# Altium PCB example.PcbDoc
Units mm, origin at the board's own origin, x right, y up, seen from the top; angles counter-clockwise.
Board outline 80.25 x 60.25 mm, 2 copper layers (Top Layer, Bottom Layer); 88 components, 62 nets, 300 pads, 6 vias.
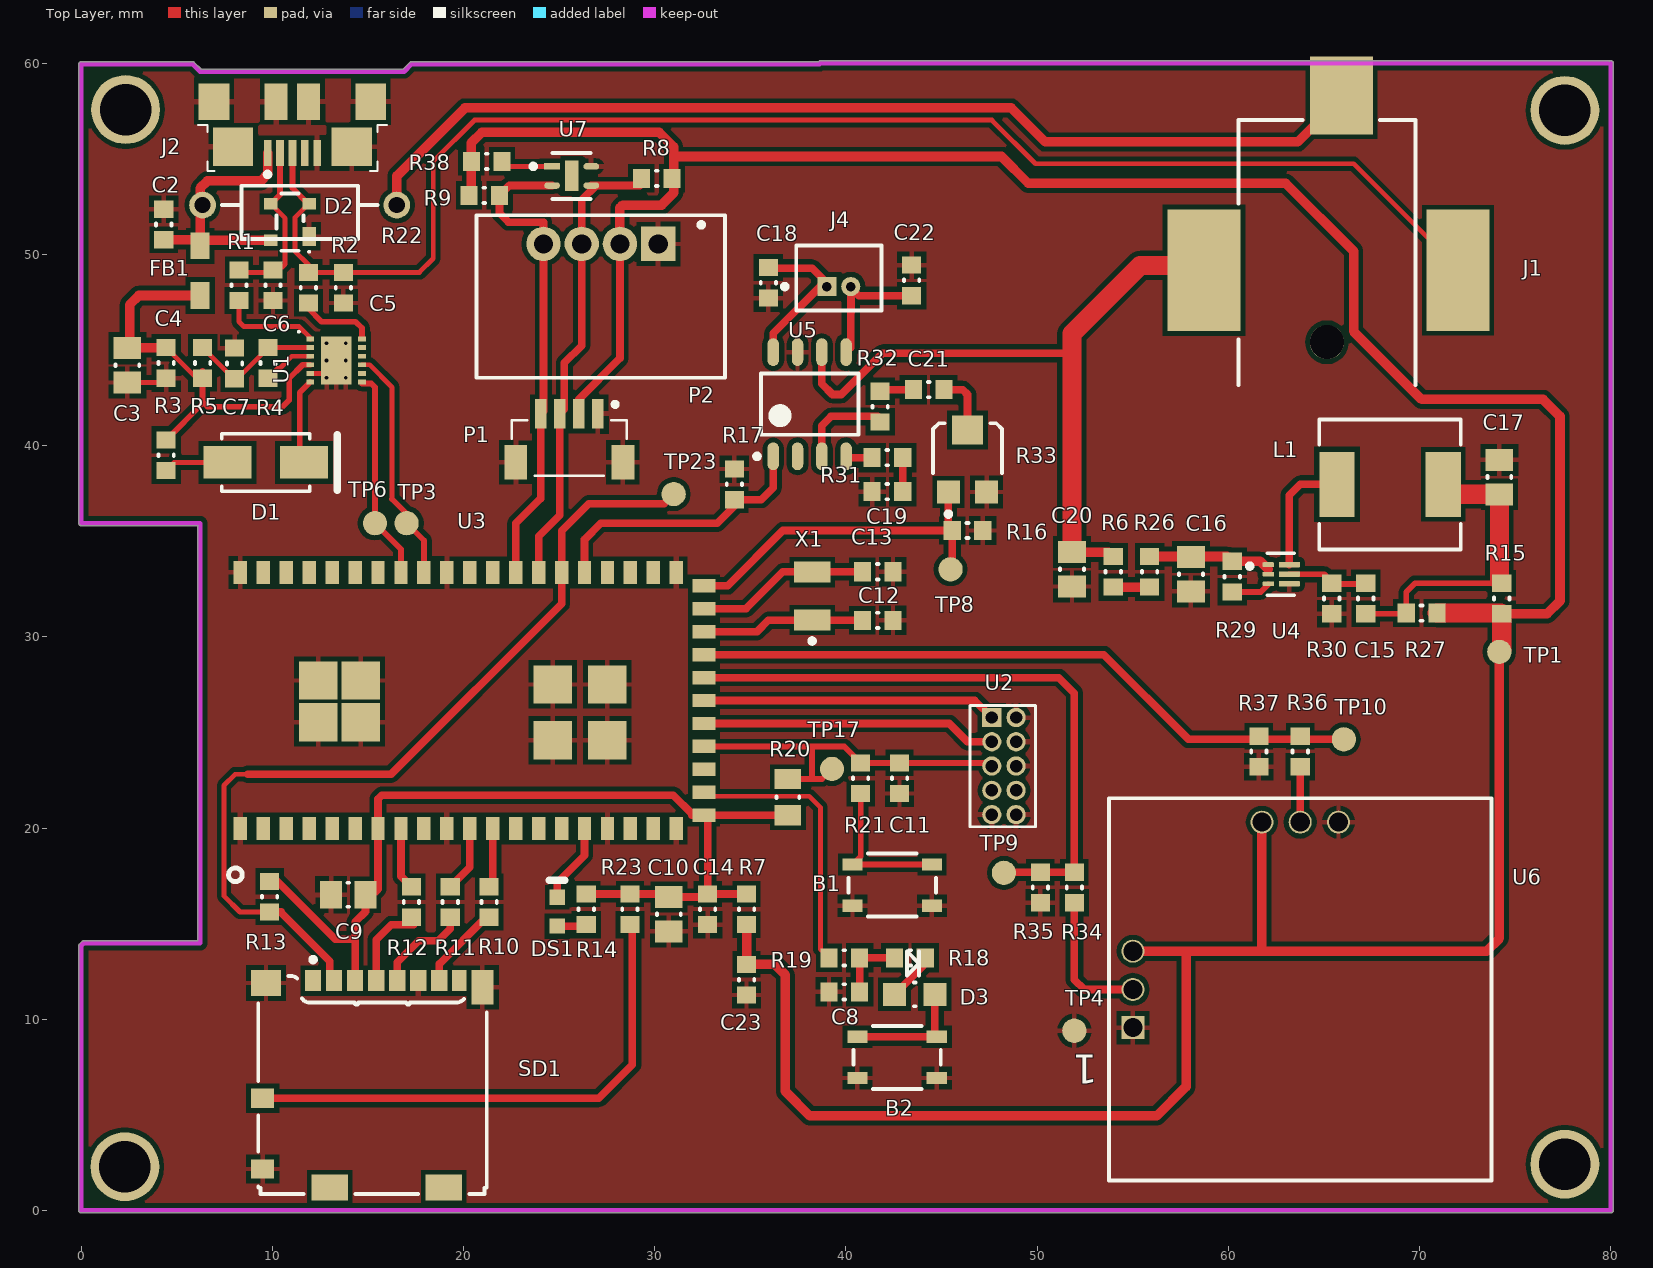
[diagram p0: Top Layer view]
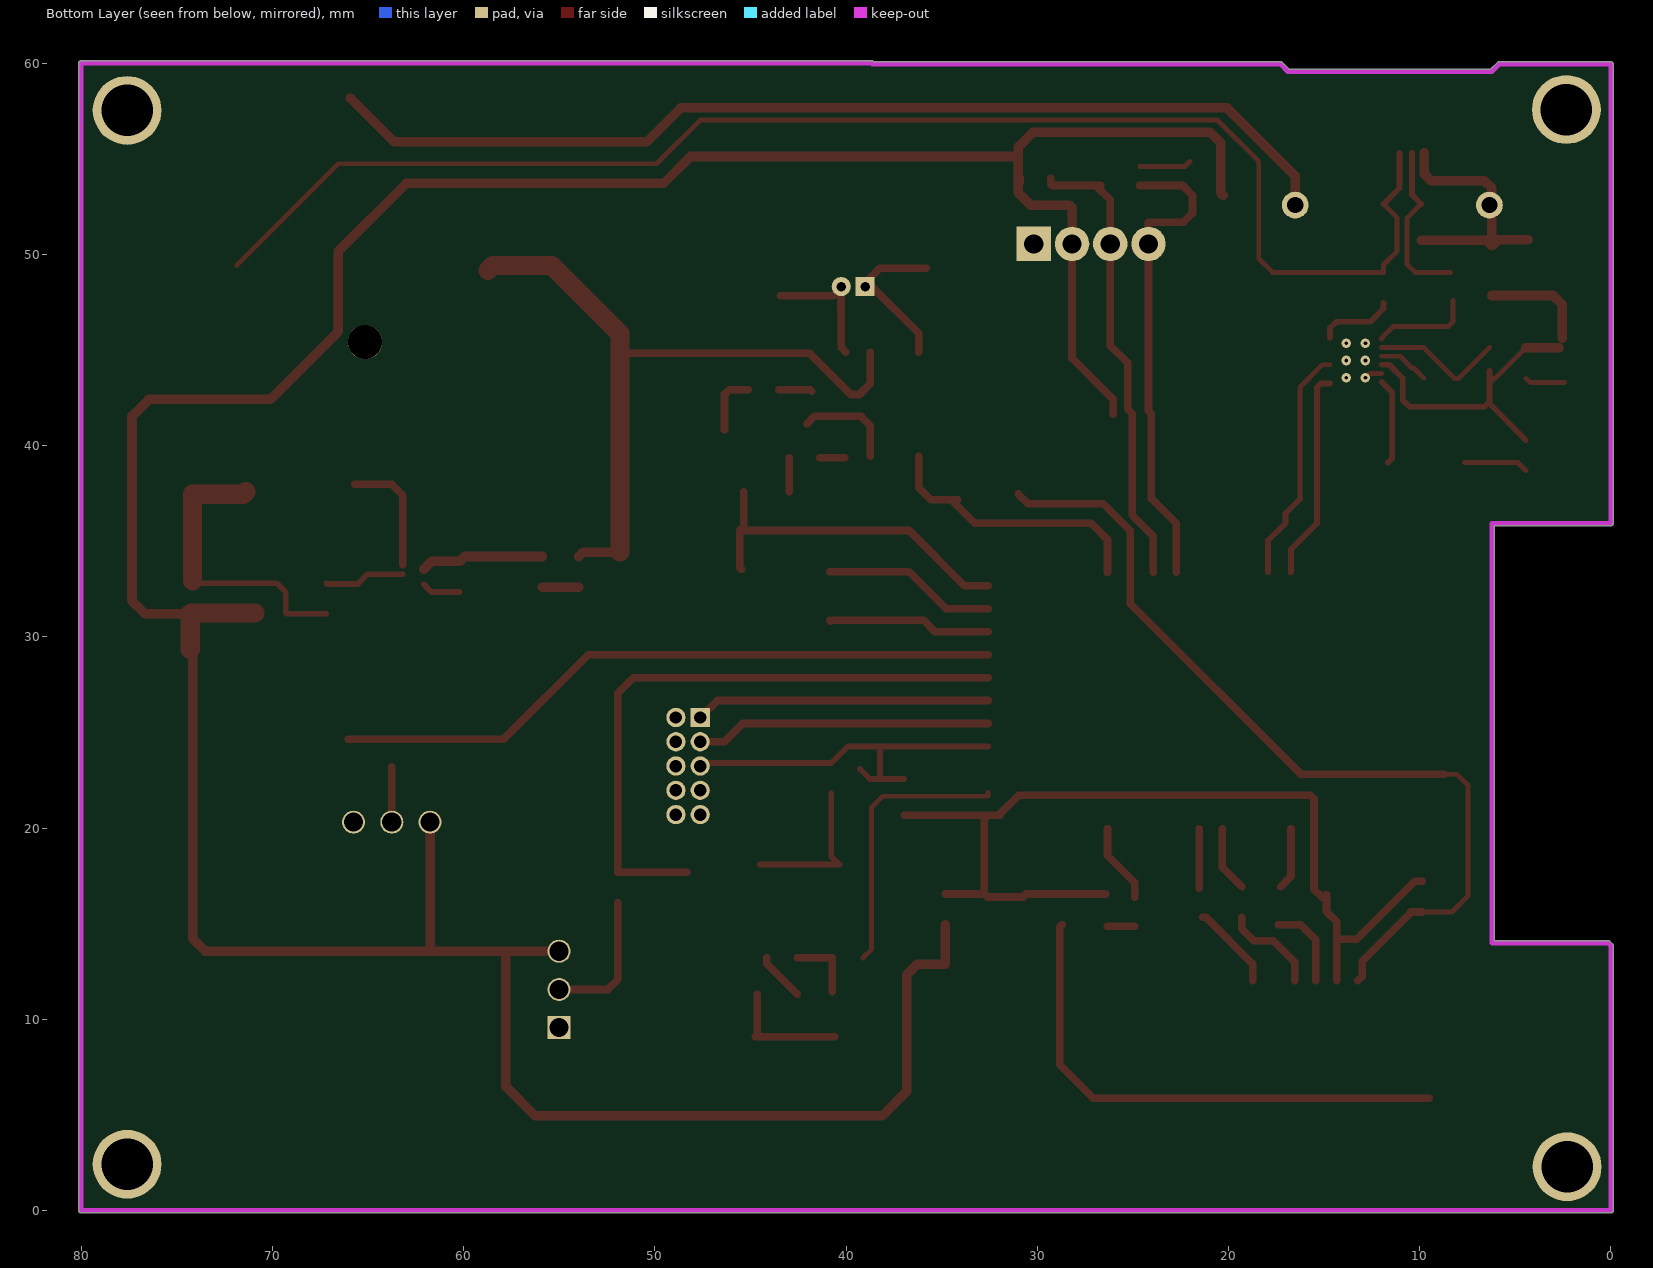
[diagram p1: Bottom Layer view, seen from below]

## Layer stack, top to bottom
Top Solder: solder mask 0.0102, Solder Resist, Dk 3.5
Top Layer: signal copper 0.0356
Dielectric 1: dielectric 0.32, FR-4, Dk 4.8
Bottom Layer: signal copper 0.0356
Bottom Solder: solder mask 0.0102, Solder Resist, Dk 3.5

## Board outline
0,-0.127 cw(c0,0) -0.127,0 -0.127,13.843 cw(c0,13.843) -0.09,13.934 -0.09,13.933 0.037,14.06 0.036,14.06 cw(c0.127,13.97) 0.127,14.097 6.096,14.097 6.096,35.814 0,35.814 cw(c0,35.941) -0.127,35.941 -0.127,59.944 cw(c0,59.944) 0,60.071 5.842,60.071 cw(c5.842,59.944) 5.933,60.034 5.932,60.034 6.276,59.69 16.838,59.69 17.182,60.034 17.181,60.034 cw(c17.272,59.944) 17.272,60.071 38.558,60.071 cw(c38.664,60) 38.664,60.127 79.873,60.127 cw(c79.873,60) 79.937,60.11 cw(c80,60) 80.127,60 80.127,0 cw(c80,0) 80,-0.127

## Design rules (kind name [scope] priority, off if disabled: settings)
Clearance [All] p1: gap=0.254 ignorepadtopadclearanceinfootprint=FALSE except(0: Arc-Hole Track-Hole SMDPad-Hole THPad-Hole Via-Hole Fill-Hole Poly-Hole Region-Hole Text-Hole)
DiffPairsRouting [All] p1: maxlimit=0.254 minlimit=0.254 mostfreqgap=0.254 toplayer_minwidth=0.381 toplayer_maxwidth=0.381 toplayer_prefwidth=0.381 bottomlayer_minwidth=0.381 bottomlayer_maxwidth=0.381 bottomlayer_prefwidth=0.381 maxuncoupledlength=12.7
PlaneConnect [All] p1: planeconnectstyle=Direct reliefexpansion=0.508 reliefentries=4 reliefconductorwidth=0.254 reliefairgap=0.254
PolygonConnect [All] p1: connectstyle=Relief reliefconductorwidth=0.254 reliefentries=4 polygonreliefangle="90 Angle" airgapwidth=0.254
RoutingVias [All] p1: holewidth=0.711 width=1.27 viastyle="Through Hole" minholewidth=0.711 minwidth=1.27 maxholewidth=0.711 maxwidth=1.27
SolderMaskExpansion [All] p1: expansion=0.102 istentingtop=FALSE
Width [All] p1: maxlimit=3 minlimit=0.254 preferedwidth=0.254
28 further rules are at their usual default settings.

## Classes and differential pairs
component class U_Thumbstick: R24 R27 R28 R29 R31 U6
component class U_3.3VBuck: C15 C16 C17 L1 R20 R24 R25 R28 U4
component class U_Memory: C14 R17 R19 SD1 TP15 TP18 TP19 TP20 TP21
component class U_MCU: B2 C8 C9 C10 C11 C12 C13 D3 J1 R15 R16 R17 TP15 TP21 U2 U3 X1
component class U_FTDI: C1 C2 C4 C5 C7 D2 FB1 R1 R2 R3 R4 R5 U1
component class U_Audio: C18 C19 C20 C21 C22 J4 R24 R26 R27 R28 U5
component class MAIN: DS1 FD1 FD2 FD3 J2 P1 P2 R6 R11 R12 R13 R14 R19 R35 TP1 TP2 TP3 TP4 TP18 TP19 TP20
component class Designator: C23 R29 U7
differential pair USB_FTDI_DATA_4: +USB_FTDI_DATA_4_P -USB_FTDI_DATA_4_N
differential pair USB_DATA: +USB_DATA_P -USB_DATA_N

## Components (designator, comment, footprint, x,y, rotation, side; value= is the part's Value field where it differs from the comment)
B1 "PTS810 SJK 250 SMTR LFS" "PTS810 SJK 250 SMTR LFS" 42.418,17.018 r0 top (schematic designator B2)
B2 "PTS810 SJK 250 SMTR LFS" "PTS810 SJK 250 SMTR LFS" 42.672,8.001 r0 top (schematic designator B1)
C2 "10nF 16V" CAPC0603(1608)100_N 4.318,51.562 r270 top value=10nF
C3 "4.7uF 16V" CAPC0805(2012)145_N 2.413,44.196 r90 top value=4.7uF (schematic designator C4)
C4 "100nF 16V" CAPC0603(1608)100_N 4.445,44.323 r90 top value=100nF (schematic designator C3)
C5 "47pF 16V" CAPC0603(1608)100_N 13.716,48.26 r90 top value=47pF (schematic designator C6)
C6 "47pF 16V" CAPC0603(1608)100_N 10.033,48.387 r90 top value=47pF (schematic designator C5)
C7 "100nF 16V" CAPC0603(1608)100_N 8.026,44.298 r270 top value=100nF
C8 "1uF 16V" CAPC0603(1608)100_N 39.912,11.43 r0 top value=1uF
C9 "10uF 16V" CAPC0805(2012)145_N 13.97,16.51 r0 top value=10uF
C10 "10uF 16V" CAPC0805(2012)145_N 30.734,15.494 r90 top value=10uF
C11 "1uF 16V" CAPC0603(1608)100_N 42.799,22.606 r90 top value=1uF
C12 "18pF 16V" CAPC0603(1608)100_N 41.656,30.861 r180 top value=18pF
C13 "18pF 16V" CAPC0603(1608)100_N 41.656,33.401 r180 top value=18pF
C14 "CAP 100nF 16V 0603(1608)" CAPC0603(1608)100_N 32.766,15.748 r90 top value=100nF
C15 "120pF 25V" CAPC0603(1608)100_N 67.183,32.004 r270 top value=120pF
C16 "4.7uF 16V" CAPC0805(2012)145_N 58.039,33.274 r90 top value=4.7uF
C17 "22uF 10V" CAPC0805(2012)145_N 74.168,38.354 r270 top value=22uF
C18 "220pF 10V" CAPC0603(1608)100_N 35.941,48.514 r90 top value=220pF
C19 "1uF 16V" CAPC0603(1608)100_N 42.164,37.592 r180 top value=1uF
C20 "10uF 16V" CAPC0805(2012)145_N 51.816,33.528 r90 top value=10uF
C21 "1uF 16V" CAPC0603(1608)100_N 44.323,42.926 r0 top value=1uF
C22 "220pF 10V" CAPC0603(1608)100_N 43.434,48.641 r270 top value=220pF
C23 "100nF 16V" CAPC0603(1608)100_N 34.798,12.065 r90 top value=100nF
D1 "LTST-C170CKT" DIOD-SMA-2_V 9.652,39.116 r0 top (schematic designator D2)
D2 "PRTR5V0U2X,215" NXP-SOT143B-4_V 10.922,51.689 r180 top value=100nF (schematic designator C1)
D3 "LTST-C170CKT" LTST-C170GKT_V 43.595,11.303 r0 top
DS1 "LTST-C191KGKT" LITE-ON-LTST-C191KRKT-2_V 24.892,15.621 r90 top
FB1 "BLM21PG221SN1D" MURA-BLM21-B20-CHIP-2_V2 6.223,49.149 r270 top
J1 "RASM722PTR13X" FP-RASM722PTR13X-MFG 65.151,49.657 r0 top (schematic designator J2)
J2 "ZX62R-B-5P" HIRO-ZX62R-B-5P_V 11.049,56.642 r180 top (schematic designator D1)
J4 "53047-0210" FP-53047-0210-MFG 39.624,48.768 r180 top
L1 "SPM6550T-R47M-HZ" FP-SPM6550-MFG 68.453,37.973 r0 top value=470nH
P1 "BM04B-SRSS-TBT(LF)(SN)" CONN_BM04B-SRSS-TBT(LF)(SN) 25.527,41.656 r180 top
P2 "B4B-PH-SM4-TB(LF)(SN)" TECO-640456-4 27.178,50.546 r0 top
R1 "27R 1%" RESC0603(1608)_N 8.255,48.387 r270 top value="27.00 Ohm"
R2 "27R 1%" RESC0603(1608)_N 11.887,48.26 r270 top value="27.00 Ohm"
R3 "1K 1%" RESC0603(1608)_N 4.445,39.497 r90 top value="1000.00 Ohm"
R4 "Jumper" RESC0603(1608)_N 9.779,44.323 r90 top value="0.00 Ohm"
R5 "1K 1%" RESC0603(1608)_N 6.35,44.323 r90 top value="1000.00 Ohm"
R6 "Jumper" RESC0603(1608)_N 53.975,33.401 r270 top value="0.00 Ohm"
R7 "Jumper" RESC0603(1608)_N 34.798,15.748 r270 top value="1000.00 Ohm" (schematic designator R10)
R8 "10K 1%" RESC0603(1608)_N 30.099,53.975 r0 top value="27.00 Ohm" (schematic designator R11)
R9 "10K 1%" RESC0603(1608)_N 21.082,53.086 r180 top value="27.00 Ohm" (schematic designator R12)
R10 "10K 1% 0603(1608)" RESC0603(1608)_N 21.336,16.129 r270 top value="27.00 Ohm" (schematic designator R13)
R11 "1K 1%" RESC0603(1608)_N 17.272,16.129 r270 top (schematic designator FD1)
R12 "27R 1%" RESC0603(1608)_N 19.304,16.129 r90 top (schematic designator FD2)
R13 "10K 1% 0603(1608)" RESC0603(1608)_N 9.855,16.408 r90 top value="10000.00 Ohm" (schematic designator R19)
R14 "27R 1%" RESC0603(1608)_N 26.416,15.748 r270 top value="10000.00 Ohm"
R15 "27R 1%" RESC0603(1608)_N 74.295,32.004 r90 top value="100.00 Ohm"
R16 "10K 1%" RESC0603(1608)_N 46.355,35.56 r180 top value="10000.00 Ohm"
R17 "10K 1%" RESC0603(1608)_N 34.163,37.973 r270 top (schematic designator FD3)
R18 "100R 1%" RESC0603(1608)_N 43.341,13.208 r180 top (schematic designator J1)
R19 "10K 1%" RESC0603(1608)_N 39.912,13.208 r0 top value="453000.00 Ohm" (schematic designator R25)
R20 "10K 1%" RESC0805(2012)_N 36.957,21.615 r270 top value="10000.00 Ohm" (schematic designator R17)
R21 "100R 1%" RESC0603(1608)_N 40.767,22.606 r90 top value="100.00 Ohm" (schematic designator R18)
R22 "10K 1% 0603(1608)" AXIAL-0.4 11.43,52.578 r180 top value="10000.00 Ohm" (schematic designator R38)
R23 "10K 1% 0603(1608)" RESC0603(1608)_N 28.702,15.748 r90 top value="10000.00 Ohm" (schematic designator R20)
R26 "Jumper" RESC0603(1608)_N 55.88,33.401 r90 top value="0.00 Ohm" (schematic designator R23)
R27 "Jumper" RESC0603(1608)_N 70.104,31.242 r0 top value="0.00 Ohm" (schematic designator R24)
R29 "100K 1%" RESC0603(1608)_N 60.198,33.147 r270 top value="100000.00 Ohm" (schematic designator R26)
R30 "100K 1%" RESC0603(1608)_N 65.405,32.004 r90 top value="100000.00 Ohm" (schematic designator R27)
R31 "100R 1%" RESC0603(1608)_N 42.164,39.37 r180 top value="100.00 Ohm" (schematic designator R28)
R32 "100R 1%" RESC0603(1608)_N 41.783,42.037 r270 top value="100.00 Ohm" (schematic designator R29)
R33 "TC33X-2-103E" BOUR-TC33X-2_V 46.355,39.37 r90 top (schematic designator R30)
R34 "10K 1%" RESC0603(1608)_N 51.943,16.891 r270 top value="10000.00 Ohm" (schematic designator R31)
R35 "10K 1%" RESC0603(1608)_N 50.165,16.891 r90 top value="10000.00 Ohm" (schematic designator R32)
R36 "10K 1%" RESC0603(1608)_N 63.754,24.003 r270 top value="10000.00 Ohm" (schematic designator R33)
R37 "10K 1%" RESC0603(1608)_N 61.595,24.003 r90 top value="10000.00 Ohm" (schematic designator R34)
R38 "Jumper" RESC0603(1608)_N 21.209,54.864 r0 top value="0.00 Ohm" (schematic designator R35)
SD1 "104031-0811" MOLX-104031-0811_V 15.24,6.604 r180 top
TP1 "0.1\" Pad" PCBComponent 74.168,29.21 r90 top
TP3 "0.1\" Pad" PCBComponent 17.018,35.941 r90 top (schematic designator TP2)
TP4 "0.1\" Pad" PCBComponent 51.943,9.398 r90 top (schematic designator TP3)
TP6 "0.1\" Pad" PCBComponent 15.367,35.941 r90 top (schematic designator TP4)
TP8 "0.1\" Pad" PCBComponent 45.466,33.528 r180 top (schematic designator TP18)
TP9 "0.1\" Pad" PCBComponent 48.26,17.653 r90 top (schematic designator TP19)
TP10 "0.1\" Pad" PCBComponent 66.04,24.638 r90 top (schematic designator TP20)
TP17 "0.1\" Pad" PCBComponent 39.268,23.089 r90 top (schematic designator TP15)
TP23 "0.1\" Pad" PCBComponent 30.988,37.465 r90 top (schematic designator TP21)
U1 "FT234XD-R" DFN-12_V 13.335,44.45 r0 top
U2 "20021111-00010T4LF" 20021111-00010T4LF 48.895,23.241 r270 top
U3 "SAMW25H18-MR510PB" SAMW25H18-MR510PB 20.447,26.67 r180 top
U4 "TPS62827DMQR" TPS62827DMQR 62.738,33.274 r0 top
U5 "PAM8302AASCR" AT25DF081A-SSH-T 38.1,42.164 r90 top
U6 "2765 Thumbstick" thumbstick 63.754,11.557 r180 top
U7 "SHTC3" FP-SHTC3-IPC_A 25.654,54.102 r0 top
X1 "ABS07-32.768KHz-T" ABRA-ABS07-2_V 38.227,32.131 r90 top

## Footprints (in the part's own frame and the unit in brackets; to place one, negate y for a bottom-side part, rotate by r counter-clockwise, add the part's x,y. Pads: shape width x height; smd on the part's side, far side on the other; paste and mask are expansions set on the pad)
20021111-00010T4LF [mm] "CONN HEADER 10POS UNSHD VERT T/H"
  rect 1.006x1.006 hole 0.65: 1(-2.54,-1.27)
  round 1.006 hole 0.65: 2(-2.54,0) 3(-1.27,-1.27) 4(-1.27,0) 5(0,-1.27) 6(0,0) 7(1.27,-1.27) 8(1.27,0) 9(2.54,-1.27) 10(2.54,0)
  silkscreen extent -3.18,-2.41 3.18,1.02, body extent -3.18,-2.33 3.18,1.06, height 5.5
ABRA-ABS07-2_V [mm] "Hand Drawn, 2-Leads, Body 3.2x1.5mm, Pitch 2.5mm"
  rect 1.1x1.9 smd: 1(-1.25,0) 2(1.25,0)
  silkscreen extent -2.47,-0.13 -2.23,0.12, body extent -1.6,-0.75 1.6,0.75, height 0.9
AT25DF081A-SSH-T [mm] "IC FLASH 8MBIT 100MHZ 8SOIC"
  oval 1.45x0.6 smd: 1(-2.725,1.905) 2(-2.725,0.635) 3(-2.725,-0.635) 4(-2.725,-1.905) 5(2.725,-1.905) 6(2.725,-0.635) 7(2.725,0.635) 8(2.725,1.905)
  silkscreen extent -2.85,-2.55 1.6,2.88, body extent -3,-2.55 3,2.55, height 1.75
AXIAL-0.4 [mm] "Axial Device, Thru-Hole; 2 Leads; 0.4 in Pin Spacing"
  round 1.4 hole 0.85: 1(-5.08,0) 2(5.08,0)
  silkscreen extent -4.06,-1.02 4.06,1.78, body extent -5.23,-1.65 5.49,1.86, height 3.54
BOUR-TC33X-2_V [mm] "SMD, 3-Leads, Body 3.8x3.6mm"
  rect 1.2x1.2 smd: 1(-1.8,1) 3(-1.8,-1)
  rect 1.5x1.6 smd: 2(1.45,0)
  silkscreen extent -3.07,-1.8 1.8,1.8, body extent -2,-1.8 1.96,1.8, height 1.15
CAPC0603(1608)100_N [mm] "Chip Capacitor, Body 1.6x0.8mm, Height 1.0mm, IPC Medium Density"
  rect 0.9x1 smd: 1(-0.8,0) 2(0.8,0)
  silkscreen extent -0.05,-0.4 0.05,0.4, body extent -0.87,-0.48 0.88,0.47, height 1
CAPC0805(2012)145_N [mm] "Chip Capacitor, Body 2.0x1.2mm, Height 1.45mm, IPC Medium Density"
  rect 1.15x1.45 smd: 1(-0.9,0) 2(0.9,0)
  silkscreen extent -0.05,-0.62 0.05,0.63, body extent -1.1,-0.72 1.1,0.73, height 1.45
CONN_BM04B-SRSS-TBT(LF)(SN) [mm]
  rect 0.6x1.55 smd: 1(-1.5,0) 2(-0.5,0) 3(0.5,0) 4(1.5,0)
  rect 1.2x1.8 smd: SH1(-2.8,2.525) SH2(2.8,2.525)
  silkscreen extent -3,-0.62 3,3.22, body extent -3,-0.37 3,3.23, height 4.36
DFN-12_V [mm] "SON, 12-Leads, Body 3x3mm, Pitch 0.45mm, Thermal Pad 2.5x1.6mm"
  rect 0.4x0.25 smd: 1(-1.35,1.125) 2(-1.35,0.675) 3(-1.35,0.225) 4(-1.35,-0.225) 5(-1.35,-0.675) 6(-1.35,-1.125) 7(1.35,-1.125) 8(1.35,-0.675) 9(1.35,-0.225) 10(1.35,0.225) 11(1.35,0.675) 12(1.35,1.125)
  rect 1.6x2.5 smd mask+0.102: 13(0,0)
  silkscreen extent -2,1.45 -1.9,1.55, body extent -1.5,-1.5 1.5,1.5, height 0.9
DIOD-SMA-2_V [mm] "Molded Diode, 2-Leads, Body 4.6x2.92mm"
  rect 2.5x1.7 smd: 1(-2,0) 2(2,0)
  silkscreen extent -2.3,-1.5 3.75,1.5, body extent -2.52,-1.46 2.52,1.46, height 2.4
FP-53047-0210-MFG [mm]
  rect 1x1 hole 0.5 paste-1000 mask+0: 1(0.625,0.45)
  round 1 hole 0.5 paste-1000 mask+0: 2(-0.625,0.45)
  silkscreen extent -2.22,-1.7 2.95,1.7, body extent -2.32,-1.8 2.32,1.8, height 0.25
FP-RASM722PTR13X-MFG [mm] "USB Micro-B R/A Connector"
  rect 3.3x4.06 smd paste+0 mask+0: 1(0.76,8.65)
  rect 3.81x6.35 smd paste+0 mask+0: 2(-6.43,-0.49)
  rect 3.3x6.35 smd paste+0 mask+0: 3(6.86,-0.49)
  round 1.78 hole 1.78 unplated paste-1000 mask+0: ""(0,-4.25)
  silkscreen extent -4.63,-6.5 4.63,7.38, body extent -8.43,-7.48 8.61,10.78, height 0.25
FP-SHTC3-IPC_A [mm]
  rect 0.821x0.341 smd paste+0 mask+0: 1(-1.025,0.5)
  rrect100% 0.821x0.341 smd paste+0 mask+0: 2(-1.025,-0.5) 3(1.025,-0.5) 4(1.025,0.5)
  rect 0.7x1.6 smd paste-1000 mask+0: 5(0,0)
  silkscreen extent -2.13,-1.2 1,1.2, body extent -1,-1 1,1, height 0.75
FP-SPM6550-MFG [mm]
  rect 1.85x3.4 smd paste+0 mask+0: 1(-2.775,0) 2(2.775,0)
  silkscreen extent -3.7,-3.4 3.7,3.4, body extent -3.52,-3.52 3.78,3.78, height 4.51
HIRO-ZX62R-B-5P_V [mm] "USB Micro-B R/A Connector"
  rect 0.4x1.35 smd: 1(1.3,1.338) 2(0.65,1.338) 3(0,1.338) 4(-0.65,1.338) 5(-1.3,1.338)
  rect 2.1x2 smd: 6(-3.1,1.012) 11(3.1,1.012)
  rect 1.6x1.9 smd: 7(-4.1,-1.338) 10(4.1,-1.338)
  rect 1.2x1.9 smd: 8(-0.85,-1.338) 9(0.85,-1.338)
  silkscreen extent -4.95,-0.13 4.95,2.58, body extent -4.4,-3.95 4.4,1.78, height 2.71
LITE-ON-LTST-C191KRKT-2_V [mm] "Chip, 2-Leads, Body 1.6x0.8mm"
  rect 0.8x0.8 smd: 1(-0.75,0) 2(0.75,0)
  silkscreen extent 1.65,-0.4 1.65,0.4, body extent -0.8,-0.4 0.8,0.4, height 0.55
LTST-C170GKT_V [mm] "SMD, 2-Leads, Body 2x1.25mm"
  rect 1.2x1.2 smd: 1(-1.05,0) 2(1.05,0)
  silkscreen extent -0.41,-0.63 0.23,2.25, body extent -1,-0.63 1,0.63, height 1.1
MOLX-104031-0811_V [mm] "Micro SD, 8-Leads, Body 11.95x11.4mm, Pitch 1.1mm"
  rect 0.85x1.1 smd: 1(3.113,-5.412) 2(2.013,-5.412) 3(0.913,-5.412) 4(-0.188,-5.412) 5(-1.288,-5.412) 6(-2.387,-5.412) 7(-3.487,-5.412)
  rect 0.75x1.1 smd: 8(-4.537,-5.412)
  rect 1.2x1 smd: 9(5.748,0.738) 10(5.748,4.438)
  rect 1.55x1.35 smd: 11(5.573,-5.287)
  rect 1.17x1.8 smd: 12(-5.747,-5.062)
  rect 1.9x1.35 smd: 13(-3.722,5.413) 14(2.248,5.413)
  silkscreen extent -5.97,-6.64 5.98,5.74, body extent -5.97,-5.66 5.98,5.74, height 1.45
MURA-BLM21-B20-CHIP-2_V2 [mm] "Chip Ferrite Bead, 2-Leads, Body 2x1.25mm, Height 1.05mm, 35/70um Land Pad Thickness, 2A Rated Current"
  rect 1.4x1 smd: 1(-1.3,0) 2(1.3,0)
  body extent -1,-0.63 1,0.63, height 1.05
NXP-SOT143B-4_V [mm] "SOT143, 4-Leads, Body 3x1.4mm"
  rect 0.7x1 smd: 1(-1,0.75)
  rect 0.7x0.6 smd: 2(-1,-0.95) 3(1,-0.95) 4(1,0.95)
  silkscreen extent -1.05,-1.5 0.7,1.6, body extent -0.7,-1.5 0.7,1.5, height 1.1
PCBComponent [mm]
  round 1.27 smd mask+0: 1(0,0)
  body extent -0.63,-0.63 0.64,0.63, height 0
"PTS810 SJK 250 SMTR LFS" [mm] "SWITCH TACTILE SPST-NO 0.05A 16V"
  rect 1.05x0.65 smd: 1(-2.075,1.075) 2(2.075,1.075) 3(-2.075,-1.075) 4(2.075,-1.075)
  silkscreen extent -2.29,-1.65 2.29,1.65, body extent -2.3,-1.6 2.3,1.6, height 2.5
RESC0603(1608)_N [mm] "Chip Resistor, Body 1.6x0.8mm, IPC Medium Density"
  rect 0.9x1 smd: 1(-0.8,0) 2(0.8,0)
  silkscreen extent -0.05,-0.4 0.05,0.4, body extent -0.85,-0.47 0.85,0.47, height 0.6
RESC0805(2012)_N [mm] "Chip Resistor, Body 2.0x1.3mm, IPC Medium Density"
  rect 1.05x1.4 smd: 1(-0.95,0) 2(0.95,0)
  silkscreen extent -0.05,-0.6 0.05,0.6, body extent -1.1,-0.67 1.1,0.68, height 0.7
SAMW25H18-MR510PB [mm] "RF TXRX MODULE WIFI TRACE ANT"
  rect 2x2 smd: 0(-7.065,-0.839) 0(-7.065,2.085) 0(-4.21,-0.839) 0(-4.21,2.085)
  rect 2x2 smd mask+0.127: 0(5.828,-1.045) 0(5.828,1.137) 0(8.046,-1.045) 0(8.046,1.137)
  rect 0.7x1.2 smd: 1(12.121,6.7) 2(10.921,6.7) 3(9.721,6.7) 4(8.521,6.7) 5(7.321,6.7) 6(6.121,6.7) 7(4.921,6.7) 8(3.721,6.7) 9(2.521,6.7) 10(1.321,6.7) 11(0.121,6.7) 12(-1.079,6.7) 13(-2.279,6.7) 14(-3.479,6.7) 15(-4.679,6.7) 16(-5.879,6.7) 17(-7.079,6.7) 18(-8.279,6.7) 19(-9.479,6.7) 20(-10.679,6.7) 32(-10.679,-6.7) 33(-9.479,-6.7) 34(-8.279,-6.7) 35(-7.079,-6.7) 36(-5.879,-6.7) 37(-4.679,-6.7) 38(-3.479,-6.7) 39(-2.279,-6.7) 40(-1.079,-6.7) 41(0.121,-6.7) 42(1.321,-6.7) 43(2.521,-6.7) 44(3.721,-6.7) 45(4.921,-6.7) 46(6.121,-6.7) 47(7.321,-6.7) 48(8.521,-6.7) 49(9.721,-6.7) 50(10.921,-6.7) 51(12.121,-6.7)
  rect 1.2x0.7 smd: 21(-12.12,6.004) 22(-12.12,4.804) 23(-12.12,3.604) 24(-12.12,2.404) 25(-12.12,1.204) 26(-12.12,0.004) 27(-12.12,-1.196) 28(-12.12,-2.396) 29(-12.12,-3.596) 30(-12.12,-4.796) 31(-12.12,-5.996)
  silkscreen extent 12.02,8.76 12.74,9.48, body extent -12.89,-7.45 20.98,7.46, height 3.37
TECO-640456-4 [mm] "Through Hole, 4-Leads, Body 10.16x5.72mm, Pitch 2.54mm"
  rect 1.8x1.8 hole 1 paste+0 mask+0.08: 1(3,0)
  round 1.8 hole 1 paste+0 mask+0.08: 2(1,0) 3(-1,0) 4(-3,0)
  silkscreen extent -6.5,-7 6.5,1.5, body extent -5.97,-6.35 5.97,0.25, height 5.01
thumbstick [mm]
  rect 1.2x1.2 hole 1: 1(8.75,2)
  round 1.2 hole 1: 2(8.75,0) 3(8.75,-2) 4(-2,-8.75) 5(0,-8.75) 6(2,-8.75)
  silkscreen extent -10,-10 10,10, body extent -8.85,-8.97 8.85,8.98, height 12
TPS62827DMQR [mm]
  rrect40% 0.6x0.25 smd paste+0 mask-1000: 1(-0.65,0) 2(-0.65,-0.5) 6(-0.65,0.5)
  rrect33% 1.1x0.3 smd paste-1000 mask-1000: 3(0.45,0) 4(0.45,-0.5) 5(0.45,0.5)
  silkscreen extent -1.75,-1.1 0.7,1.1, body extent -1.05,-0.87 1.1,0.87, height 0.25

## Part data
B1 B2: "SWITCH TACTILE SPST-NO 0.05A 16V Tactile Switch SPST-NO Top Actuated Surface Mount", Color=White, Current Rating="50 mA", Manufacturer="ITT /  C&K Components", Manufacturer Part Number=PTS810SJK250SMTRLFS, Operating Force="2.6 N", Operating Temperature Range="- 40 C to + 85 C", Supplier Part Number 1=CKN10503CT-ND, Voltage Rating DC="16 VDC", Actuator=Oval, Brand="C&K Components", ComponentLink1Description=https://datasheet.ciiva.com/18514/pts810-4mar13-18514061.pdf, ComponentLink1URL=https://datasheet.ciiva.com/18514/pts810-4mar13-18514061.pdf, ComponentLink2Description=https://datasheet.ciiva.com/18514/pts810-4mar13-18514062.pdf, ComponentLink2URL=https://datasheet.ciiva.com/18514/pts810-4mar13-18514062.pdf, ComponentLink3Description=https://datasheet.ciiva.com/18514/pts810-4mar13-18514063.pdf, ComponentLink3URL=https://datasheet.ciiva.com/18514/pts810-4mar13-18514063.pdf, Contact Form=SPST, Contact Plating=Silver, Factory Pack Quantity=2900, Mounting Direction=Straight, Mounting Style=SMD/SMT, Packaging=Reel, Part # Aliases=Y97LT25B5DBFP, Product Category="Tactile Switches", RoHS=Details, Series=PTS810, Stem Height="2.5 mm", Supplier 1=Digi-Key, Switch Function="OFF - (ON)", Termination Style="J Form Lead", Travel="0.15 mm"
C2: library part CMP-1035-02311-1, "CAP 10nF 16V ±10% 0603 (1608 Metric) Thickness 1mm SMD", Case-EIA=0603, Case-Metric=1608, Rated Voltage="16 V", Tolerance=Â±10%, Max Thickness="1 mm", Technology=SMT
C3 C16: library part CMP-1036-04893-1, "CAP 4.7uF 16V -20% to +80% 0805 (2012 Metric) Thickness 1.45mm SMD", Case-EIA=0805, Case-Metric=2012, Rated Voltage="16 V", Tolerance="-20% to +80%", Max Thickness="1.45 mm", Technology=SMT
C4 C7 C14 C23 D2: library part CMP-1035-02584-1, "CAP 100nF 16V ±10% 0603 (1608 Metric) Thickness 1mm SMD", Case-EIA=0603, Case-Metric=1608, Rated Voltage="16 V", Tolerance=Â±10%, Max Thickness="1 mm", Technology=SMT
C5 C6: library part CMP-1035-01048-1, "CAP 47pF 16V ±0.5pF 0603 (1608 Metric) Thickness 1mm SMD", Case-EIA=0603, Case-Metric=1608, Rated Voltage="16 V", Tolerance=Â±0.5pF, Max Thickness="1 mm", Technology=SMT
C8 C11 C19 C21: library part CMP-1035-02736-1, "CAP 1uF 16V ±5% 0603 (1608 Metric) Thickness 1mm SMD", Case-EIA=0603, Case-Metric=1608, Rated Voltage="16 V", Tolerance=Â±5%, Max Thickness="1 mm", Technology=SMT
C9 C10 C20: library part CMP-1036-04927-1, "CAP 10uF 16V ±10% 0805 (2012 Metric) Thickness 1.45mm SMD", Case-EIA=0805, Case-Metric=2012, Rated Voltage="16 V", Tolerance=Â±10%, Max Thickness="1.45 mm", Technology=SMT
C12 C13: library part CMP-1035-00738-1, "CAP 18pF 16V ±5% 0603 (1608 Metric) Thickness 1mm SMD", Case-EIA=0603, Case-Metric=1608, Rated Voltage="16 V", Tolerance=Â±5%, Max Thickness="1 mm", Technology=SMT
C15: library part CMP-1035-01312-1, "CAP 120pF 25V ±1% 0603 (1608 Metric) Thickness 1mm SMD", Case-EIA=0603, Case-Metric=1608, Rated Voltage="25 V", Tolerance=Â±1%, Max Thickness="1 mm", Technology=SMT
C17: library part CMP-1036-04944-1, "CAP 22uF 10V ±20% 0805 (2012 Metric) Thickness 1mm SMD", Case-EIA=0805, Case-Metric=2012, Rated Voltage="10 V", Tolerance=Â±20%, Max Thickness="1 mm", Technology=SMT
C18 C22: library part CMP-1035-01455-1, "CAP 220pF 10V ±2% 0603 (1608 Metric) Thickness 1mm SMD", Case-EIA=0603, Case-Metric=1608, Rated Voltage="10 V", Tolerance=Â±2%, Max Thickness="1 mm", Technology=SMT
D1: library part CMP-2000-05285-1, "Ultra Low Capacitance Double Rail-to-Rail ESD Protection Diode, 5.5 V, 1 pF, -40 to 85 degC, 4-Pin SOT143B, RoHS, Tape and Reel", Capacitance Value=16pF, ESD Protection Voltage=8KV@ContactDisc, Leakage Current=0.1uA, Manufacturer="NXP Semiconductors", Operating Temp Range=-40Cto85C, Operating Temperature Classification=Industrial, Operating Temperature Max Deg. C=85C, Operating Temperature Min Deg. C=-40C, Package / Case=SOT, Reverse Breakdown Voltage=6V, Reverse Stand-off Voltage=5.5V, Configuration=Quad, Datasheet URL=https://datasheet.ciiva.com/4479/prtr5v0u2x-102853-4479461.pdf, Datasheet Version="Rev. 02, 01/2008", Direction Type=Uni-Directional, Leakage Current (Max)=0.1uA, Manufacturer URL=http://www.nxp.com/, Mounting=SurfaceMount, Mounting Style=SurfaceMount, Number of Elements=1, Package Type=SOT, Packaging=TapeandReel, Pin Count=3+Tab, Polarity=Uni-Directional, Product Depth (mm)=1.4mm, Product Height (mm)=1mm, Product Length (mm)=3mm, Rad Hardened=No, Suppressor Type=DiodeArrays, Working Voltage=5.5V, Working Voltage (Max)=5.5V